# Allegro board LAY-95869_A.brd (continued)
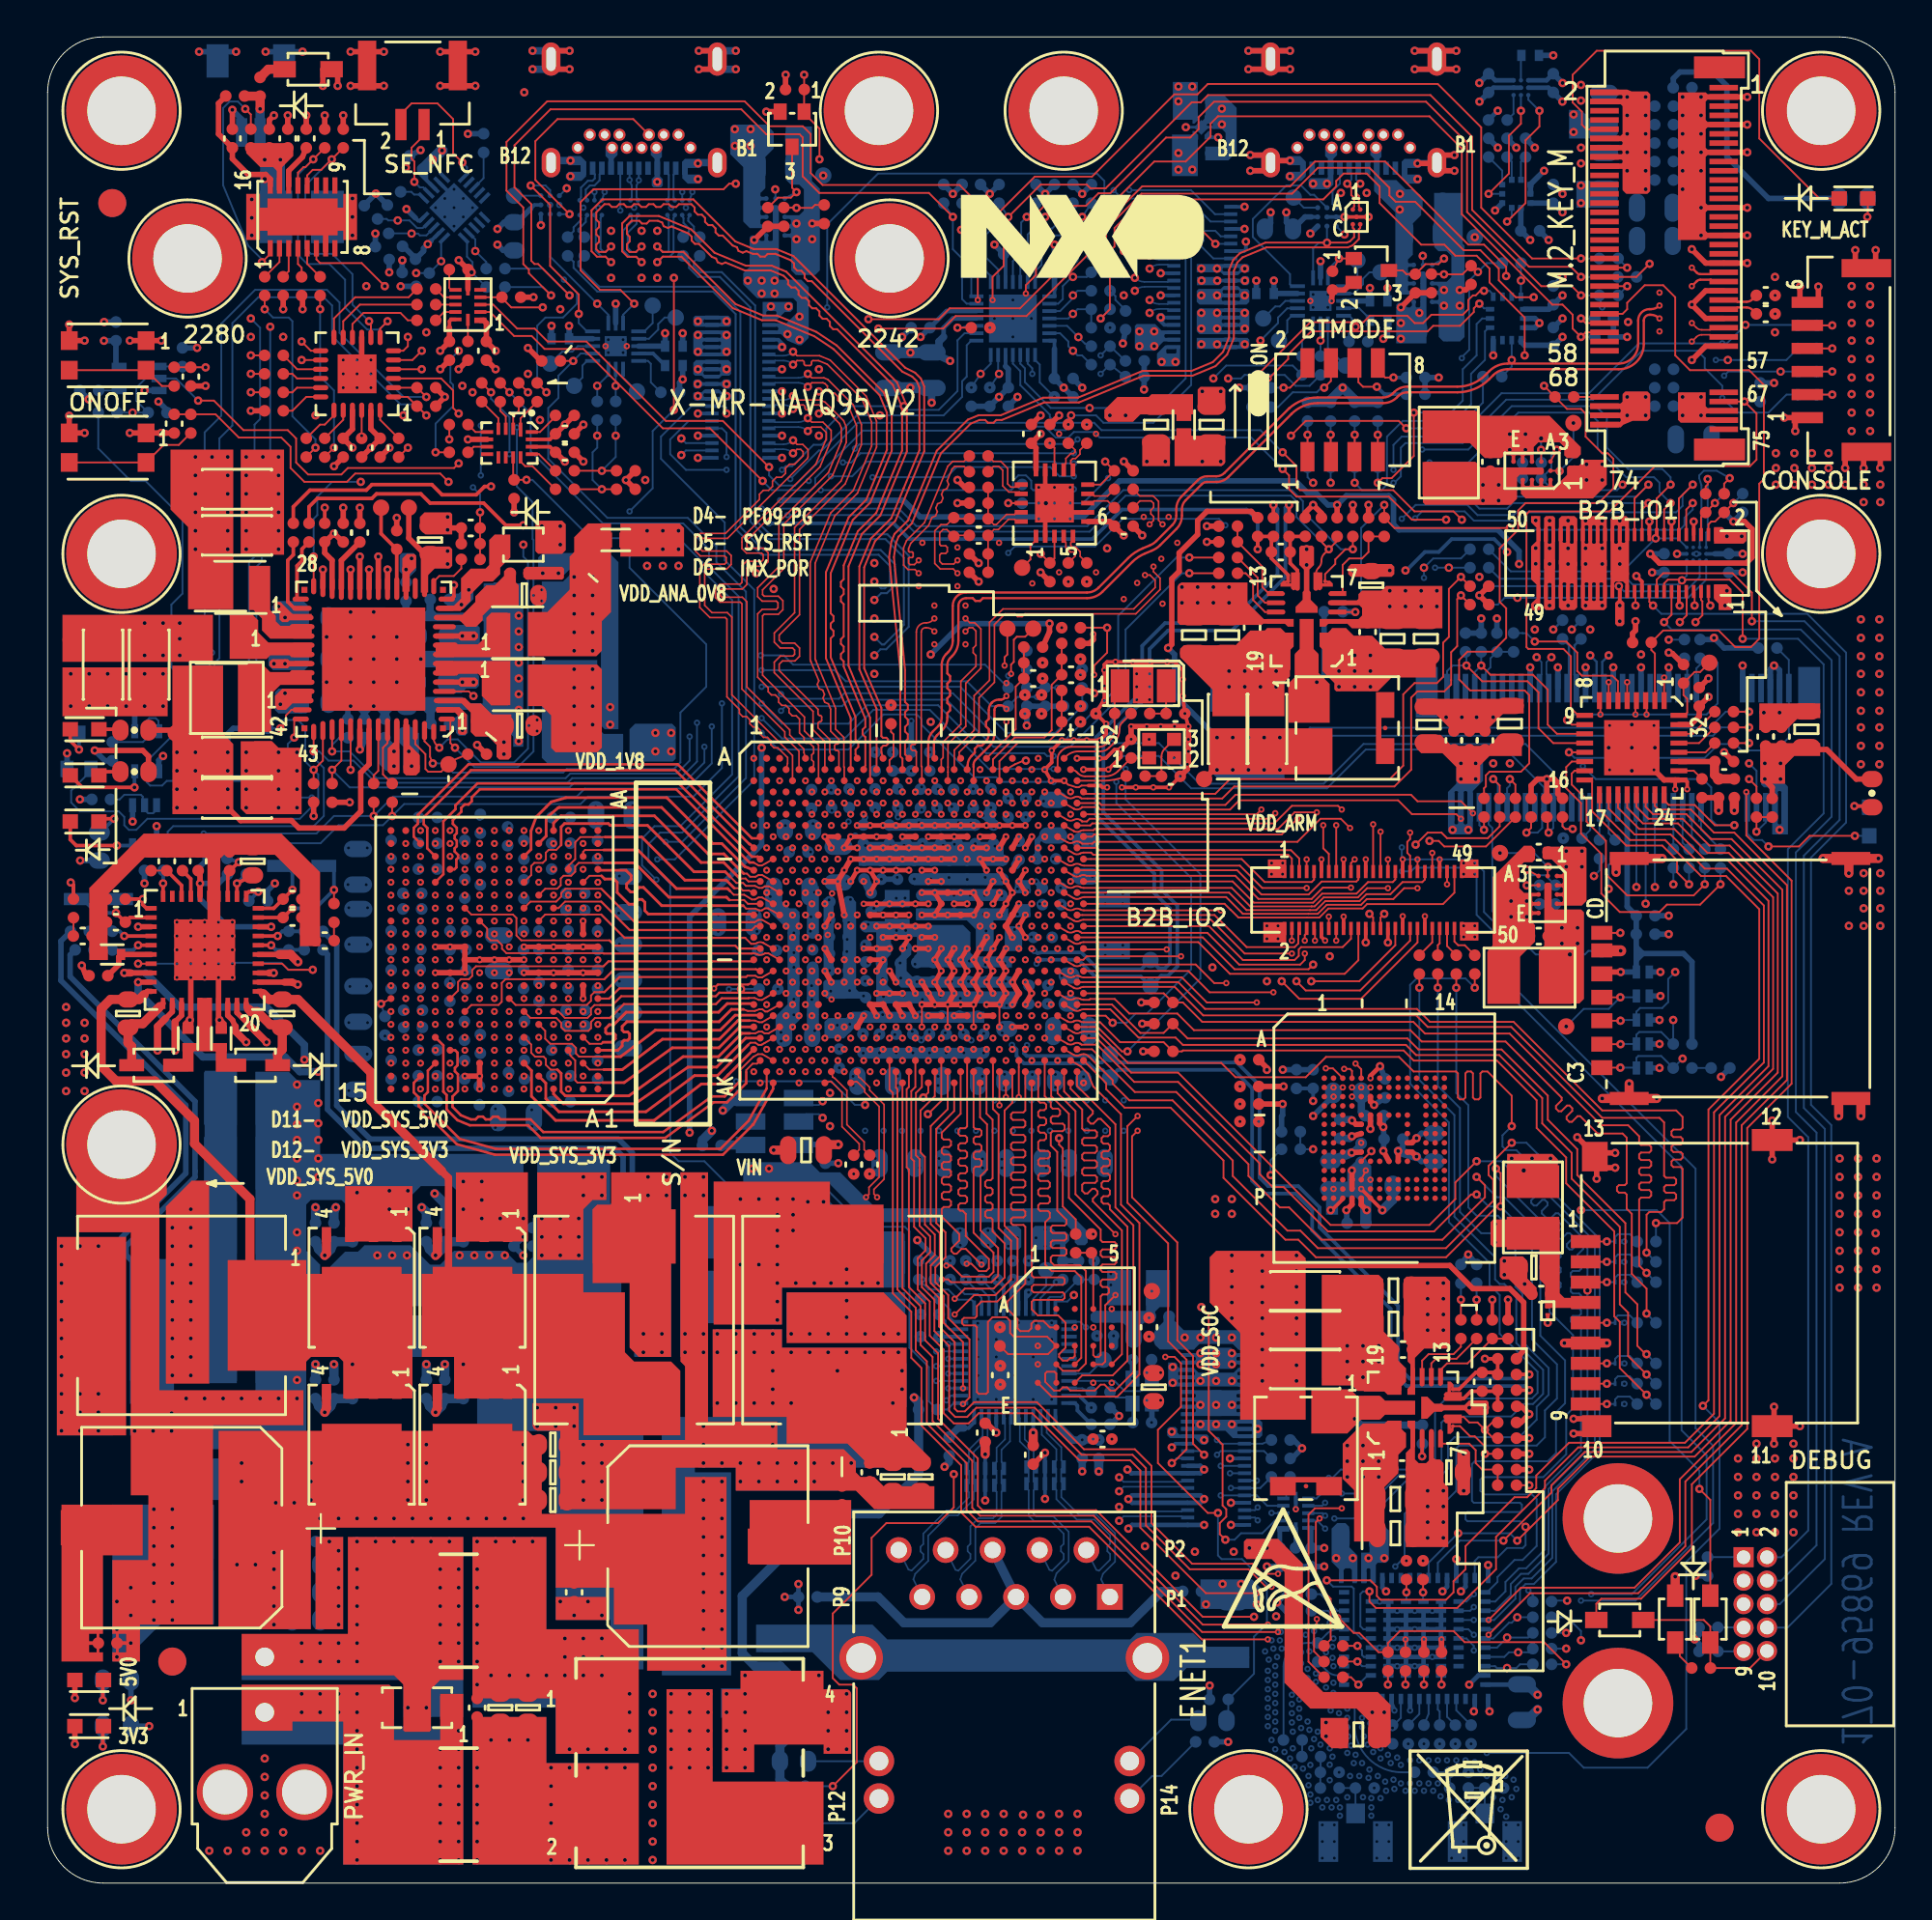
[diagram p0: board, top side]
## Routing (per net, layer and track width the routed paths; a pad name or vN(x,y) marks a point on that pad's centre or on a via; arc(x,y) is an arc through that point) (continued)
PF53_ARM_EN: length 71.8
  TOP w0.102: v1(21.2,61.5) 21.04,61.66 arc(20.94,61.82) 20.9,62 U9.56 ; U8.9 68.65,70.9 arc(68.69,71.08) 68.79,71.24 68.81,71.26 arc(68.91,71.42) 68.95,71.6 68.95,71.64 arc(68.99,71.83) 69.1,72 v1(69.35,72.25) ; R65.2 69.8,72.81 arc(69.78,72.71) 69.72,72.62 v1(69.35,72.25) ; v1(69.35,72.25) 69.05,72.55 arc(68.97,72.66) 68.95,72.79 R64.1
  L3_IN1 w0.102: v1(25.75,72.5) 26.2,72.95 29.55,72.95 31.65,70.85 37.6,70.85 39.5,72.75 39.5,73.55 v9(40.05,74.1)
  L4_GND2 w0.3: v9(40.05,74.1) v6(40.45,74.1)
  L7_GND3 w0.3: v9(40.05,74.1) v6(40.45,74.1)
  BOTTOM w0.102: v1(69.35,72.25) 67.6,74 67.6,74.85 67.3,75.15 58.35,75.15 56.4,73.2 46.9,73.2 46,74.1 v9(40.05,74.1) ; v1(21.2,61.5) 21.65,61.95 22.2,61.95 23.45,60.7 25.25,60.7 26,61.45 26,71.6 25.75,71.85 v1(25.75,72.5)
PF53_ARM_FB-: length 3.5
  TOP w0.2: R59.1 68.07,72.94 R63.1 67.26,72.88 C29.2 67.26,71.49 67.65,71.1 U8.11
PF53_ARM_PG: length 63
  TOP w0.102: R66.2 v1(70.65,72.25) 70.25,72.25 69.7,71.7 69.7,71.45 69.15,70.9 U8.8 ; v1(22.25,79.6) 21.95,79.9 21.95,80.85 21.3,81.5 U4.3
  L3_IN1 w0.102: v9(38.65,74.45) 32.6,74.45 32.05,75 29.8,75 28.5,76.3 28.5,77.4 28.05,77.85 26.9,77.85 25.2,79.55 22.3,79.55 v1(22.25,79.6)
  L4_GND2 w0.3: v9(38.65,74.45) v6(39.05,74.45)
  L7_GND3 w0.3: v9(38.65,74.45) v6(39.05,74.45)
  BOTTOM w0.102: v9(38.65,74.45) 46.07,74.45 47.02,73.5 56.28,73.5 58.23,75.45 67.35,75.45 67.95,74.85 67.95,74.3 70,72.25 v1(70.65,72.25)
PF53_ARM_VMON: length 64.4
  TOP w0.2: U8.12 67.15,70.85 66.24,71.76 C29.1 66.24,72.83 R62.1 R61.1 v1(65.5,72.25) ; R69.1 13.3,74.55 14.2,75.45 17.25,75.45 17.55,75.75 20.8,75.75 21.35,75.2 23.2,75.2 23.65,75.65 v1(24,75.65)
  L3_IN1 w0.2: v1(24,75.65) 25.25,75.65 25.65,75.25 28,75.25 31.45,71.8 37.2,71.8 v9(39.05,73.65)
  L4_GND2 w0.3: v9(39.05,73.65) v6(39.45,73.65)
  L7_GND3 w0.3: v9(39.05,73.65) v6(39.45,73.65)
  BOTTOM w0.2: v9(39.05,73.65) 45.8,73.65 46.65,72.8 56.55,72.8 58.15,74.4 64.9,74.4 65.5,73.8 v1(65.5,72.25)
PF53_SOC_EN: length 167.9
  TOP w0.102: U17.9 76.65,25.25 76.95,24.95 77.4,24.95 v1(77.8,24.55) ; v1(77.8,24.55) 78.25,24.1 R152.2 ; v1(77.8,24.55) 78.2,24.95 R151.1 ; U9.55 20.4,61.85 20.7,61.55 20.7,61.01 v1(20.85,60.65) ; v1(33.9,86.95) v1(33.9,79.8)
  L3_IN1 w0.102: v9(31.5,74.3) v9(31.5,72.5)
  L4_GND2 w0.3: v6(31.5,72.1) v9(31.5,72.5) ; v9(31.5,74.3) v6(31.22,74.58)
  L7_GND3 w0.3: v6(31.22,74.58) v9(31.5,74.3) ; v6(31.5,72.1) v9(31.5,72.5)
  L8_IN2 w0.102: v1(77.8,24.55) 77.25,24.55 73.75,28.05 73.75,34.6 75.05,35.9 75.05,47.3 74.75,47.6 74.75,49.8 75.25,50.3 75.25,54.2 77.35,56.3 77.35,57.75 78.8,59.2 79.3,59.2 79.65,59.55 79.65,62.45 76.4,65.7 76.4,67.25 76.05,67.6 76.05,70.84 77.95,72.74 77.95,73.65 79.05,74.75 79.05,76.1 77.1,78.05 77.1,84.1 76.05,85.15 76.05,85.55 75.75,85.85 74.9,85.85 72.3,88.45 69.85,88.45 66.55,91.75 59.45,91.75 58.75,92.45 49.1,92.45 46.95,90.3 37.25,90.3 v1(33.9,86.95)
  BOTTOM w0.102: v1(33.9,79.8) 32.75,78.65 32.75,75.55 v9(31.5,74.3) ; v9(31.5,72.5) 31.5,71.25 35.65,67.1 35.65,64.8 34.25,63.4 34.25,60.7 33.9,60.35 28.1,60.35 27.9,60.15 21.95,60.15 21.45,60.65 v1(20.85,60.65)
PF53_SOC_FB-: length 3.5
  TOP w0.2: U17.11 76.65,26.25 77.04,26.64 C92.2 78.43,26.64 R149.1 78.49,25.83 R150.1
PF53_SOC_PG: length 146
  TOP w0.102: U17.8 76.45,24.75 77,24.2 77.25,24.2 77.8,23.65 v1(77.8,23.25) R153.2 ; U4.4 v1(20.25,82)
  L8_IN2 w0.102: v1(77.8,23.25) 78.4,23.85 78.4,28.45 76.1,30.75 76.1,46.95 76.8,47.65 76.8,49.65 76.35,50.1 76.35,54 76.95,54.6 78.05,54.6 79.05,55.6 79.05,57.3 80.7,58.95 80.7,63.05 78.55,65.2 78.55,67 78.05,67.5 78.05,68.75 78.5,69.2 78.5,73.35 79.6,74.45 79.6,79.45 78.7,80.35 78.7,85.9 77.78,86.83 77.78,89.72 76.55,90.95 76.55,93.9 74.95,95.5 66.05,95.5 63.8,93.25 48.4,93.25 46.75,91.6 41.15,91.6 40.7,92.05 40.35,92.05 39.35,91.05 36.35,91.05 35.7,90.4 33.4,90.4 33,90 32.1,90 31.15,89.05 29.5,89.05 28.75,88.3 25.8,88.3 20.7,83.2 20.7,82.45 v1(20.25,82)
PF53_SOC_VMON: length 125.1
  TOP w0.2: v1(25.75,73.55) 24.8,73.55 23.6,74.75 20.7,74.75 20.2,75.25 17.8,75.25 17.55,75 14.6,75 14.15,74.55 R70.1 ; v1(77.8,28.4) R147.1 R148.1 78.38,27.66 C92.1 77.31,27.66 76.4,26.75 U17.12
  L3_IN1 w0.2: v1(39.3,70.1) 31.5,70.1 29.8,71.8 25.5,71.8 25.15,72.15 25.15,72.95 v1(25.75,73.55)
  L5_POWER1 w0.3: v1(77.5,70.75) 77,70.25 75.81,70.25 75.56,70.5 65.25,70.5 64.25,71.5 62.95,71.5 62.12,72.33 61.63,72.33 59.81,70.51 53.24,70.51 52.74,71.01 40.66,71.01 40.1,70.45 39.65,70.45 v1(39.3,70.1)
  L8_IN2 w0.2: v1(77.8,28.4) 75.4,28.4 74.2,29.6 74.2,34.25 75.6,35.65 75.6,47.75 75.75,47.9 75.75,54.15 76.65,55.05 77.15,55.05 78.6,56.5 78.6,57.5 80.3,59.2 80.3,62.8 78.15,64.95 78.15,66.7 77.05,67.8 77.05,68.6 77.95,69.5 77.95,70.3 v1(77.5,70.75)
PMIC_ON: length 66.3
  TOP w0.102: U9.28 v1(14.4,71.85)
  L3_IN1 w0.102: v1(16.95,75.9) 17.75,75.9 18.35,76.5 21.95,76.5 23.25,75.2 23.45,75.2 24.3,74.35 24.3,70.1 25.2,69.2 25.85,69.2 26.1,68.95 27.05,68.95 27.25,69.15 37.2,69.15 39.35,67 39.35,65.45 38.7,64.8 v9(38.65,64.8) ; v4(53.27,59.11) 53.8,59.41 arc(53.93,59.54) 53.97,59.71 arc(54.02,59.88) 54.14,60.01 54.15,60.02 arc(54.27,60.14) 54.32,60.31 54.31,61.06 55.75,62.5 v5(55.75,63.35)
  L4_GND2 w0.3: v9(38.65,64.8) v6(39.05,64.8) ; v6(55.6,63.75) v5(55.75,63.35)
  L7_GND3 w0.3: v9(38.65,64.8) v6(39.05,64.8) ; v6(55.6,63.75) v9(56.01,63.75)
  BOTTOM w0.102: v9(38.65,64.8) 49.4,64.8 51.9,62.3 54.55,62.3 56,63.75 v9(56.01,63.75) R246.1 ; v1(16.95,75.9) 15.4,75.9 14.6,75.1 14.6,74.1 14.4,73.9 v1(14.4,71.85)
PMIC_STBY: length 170.6
  TOP w0.102: R84.1 v1(57.35,68) 57.35,66.65 56.65,65.95 v4(56.65,65.45) ; U9.1 21.8,63.05 21.8,61.75 v1(22.05,61.5) ; v1(79.15,73.4) 72.91,73.4 R68.1 v1(72.35,74.65) ; R156.1 v1(80.2,21.55)
  L3_IN1 w0.102: v4(56.65,65.45) 56.35,65.15 56.1,65.15 54.8,63.85 54.8,62.8 53.38,61.38 52.93,61.38 52.55,61 52.55,60.1 52.92,59.73 v4(52.92,59.71) ; v5(72.2,66.1) 60.1,66.1 58.2,68 v1(57.35,68)
  L4_GND2 w0.3: v5(72.2,66.1) v6(72.2,65.65)
  L7_GND3 w0.3: v6(72.2,65.65) v9(72.1,66.1)
  L8_IN2 w0.102: v3(25.4,78.85) 26.9,78.85 28.25,80.2 31.75,80.2 32.15,80.6 34.3,80.6 34.75,81.05 34.75,81.3 35.05,81.6 40.45,81.6 41.3,82.45 44.65,82.45 47.45,79.65 48.55,79.65 51.8,76.4 51.8,75.55 54.4,72.95 57.5,72.95 57.85,72.6 57.85,71.45 57.35,70.95 v1(57.35,68) ; v1(79.15,73.4) 80.05,72.5 80.05,67 80.2,66.85 81.7,66.85 83.15,65.4 83.15,62.9 82.75,62.5 82.75,58.2 81.7,57.15 81.7,52.45 80.8,51.55 80.8,22.15 v1(80.2,21.55)
  BOTTOM w0.102: v9(72.1,66.1) 72.1,68.65 71.1,69.65 71.1,72.07 71.1,72.08 71.1,73.02 71.1,73.03 71.1,73.4 v1(72.35,74.65) ; v3(25.4,78.85) 25.4,75.65 26.25,74.8 26.25,72.8 26.3,72.75 26.3,61.3 25.45,60.45 23.1,60.45 v1(22.05,61.5)
PMIC_XFB: length 119
  TOP w0.2: U9.14 21.85,69.55 21.99,69.69 v1(21.99,70.31) ; R145.1 v1(78.2,31.6) ; R73.1 v1(62.75,72.65) ; R71.2 v1(15,74.5)
  L5_POWER1 w0.3: v1(73.5,71.1) 72.95,71.65 69,71.65 68.75,71.9 68.75,72.65 68.5,72.9 63,72.9 v1(62.75,72.65) 62.39,73.01 60.86,73.01 59.4,71.55 55.15,71.55 54.17,72.53 53.18,72.53 52.85,72.2 39.85,72.2 38.6,70.95 v1(38.35,70.95)
  L8_IN2 w0.2: v1(15,74.5) 16.2,73.3 19.3,73.3 20.35,72.25 20.35,70.9 20.94,70.31 v1(21.99,70.31) 22.33,70.65 25.75,70.65 26.85,71.75 31.25,71.75 32.13,70.87 34.33,70.87 34.41,70.95 v1(38.35,70.95)
  L8_IN2 w0.3: v1(78.2,31.6) 78.2,31.9 77.85,32.25 77.85,40.7 79.05,41.9 79.05,51.5 78.65,51.9 78.65,53.5 79.55,54.4 79.55,57.1 81.75,59.3 81.75,60.1 81.15,60.7 81.15,63.35 79,65.5 v1(79,72.1)
  BOTTOM w0.2: v1(79,72.1) 78.3,72.8 76,72.8 75.3,72.1 74.55,72.1 73.55,71.1 v1(73.5,71.1)
POR_B_1V8: length 186.9
  TOP w0.102: v1(89.41,21.35) 90,20.76 D14.A ; v1(54.75,40.35) 54.75,40 54.95,39.8 54.95,36.65 55.65,35.95 R141.1 ; U9.43 v1(14.4,61.3)
  L3_IN1 w0.102: v9(35.15,62.85) 35.15,63.75 37.9,66.5 v9(38.6,66.5) ; v1(83,36.45) 73.15,36.45 71.9,35.2 68.75,35.2 66.2,37.75 v1(66.2,38.35) 64.3,38.35 62.1,40.55 60.15,40.55 59.4,39.8 55.3,39.8 v1(54.75,40.35)
  L4_GND2 w0.3: v9(38.6,66.5) v6(39,66.5) ; v9(35.15,62.85) v6(34.75,62.85)
  L7_GND3 w0.3: v9(38.6,66.5) v6(39,66.5) ; v9(35.15,62.85) v6(34.75,62.85)
  L8_IN2 w0.102: v3(52,65.4) v3(52,72.05) ; v1(54.75,40.35) 57.45,40.35 57.8,40.7 57.8,41 61.75,44.95 61.75,54.1 62.9,55.25 62.9,63.15 62.2,63.85 62.2,66.4 64.65,68.85 64.65,71.05 64.2,71.5 64.2,73.1 v3(63.75,73.55)
  BOTTOM w0.102: v3(52,72.05) 52.35,72.4 56.7,72.4 58.2,73.9 63.4,73.9 v3(63.75,73.55) ; v3(52,65.4) 51.99,65.39 R248.1 50.74,66 40.35,66 39.85,66.5 v9(38.6,66.5) ; 5.25,56.22 5.25,55.75 5.4,55.6 6.25,55.6 6.5,55.85 6.5,56.95 6.8,57.25 14.4,57.25 14.95,57.8 14.95,60.4 14.4,60.95 v1(14.4,61.3) 14.7,61.3 15.2,60.8 16.55,60.8 17.75,59.6 28.15,59.6 28.4,59.85 34.25,59.85 35.15,60.75 v9(35.15,62.85) ; v1(83,36.45) 87.1,36.45 87.8,35.75 87.8,23.95 89.41,22.34 v1(89.41,21.35) ; v1(66.2,38.35) 66.2,39.16 R298.2
RES: length 2.4
  TOP w0.2: U13.32 v1(10.25,54.15) C65.1
  BOTTOM w0.2: R269.2 v1(10.25,54.15)
RJ45_LEDG_A: length 3.8
  BOTTOM w0.102: J8.P11 44.99,6.6 R359.2
RJ45_LEDG_C: length 4.6
  BOTTOM w0.102: R370.2 43.66,3.24 J8.P12
RJ45_LEDY_A: length 4.7
  BOTTOM w0.102: J8.P13 60.81,8.85 62.29,8.85 R349.2
RJ45_LEDY_C: length 4.8
  BOTTOM w0.102: J8.P14 59.79,5.8 60.29,5.8 R351.2
RTC_CLKOUT_32K: length 121
  TOP w0.102: R113.2 77.75,59.3 77.85,59.4 77.85,60 78.05,60.2 79.75,60.2 80.2,60.65 80.2,64.35 79.95,64.6 77,64.6 76.4,65.2 76.4,66.25 76.85,66.7 78.2,66.7 78.95,67.45 78.95,69.05 78.6,69.4 78.6,72.3 79.6,73.3 79.6,74.35 80,74.75 83.95,74.75 84.75,75.55 84.75,77.15 84.45,77.45 84.15,77.45 83.25,78.35 83.25,79.6 83,79.85 82.24,79.85 R212.2 81.59,80.51 v1(81,81.1) ; U1.6 14.55,87.95 14.75,87.75 17,87.75 v1(18.25,86.5)
  L8_IN2 w0.102: v1(81,81.1) 81,82.6 79.25,84.35 79.25,86.1 78.4,86.95 78.4,89.9 77,91.3 77,94.15 75.2,95.95 65.75,95.95 63.7,93.9 61.75,93.9 61.45,94.2 60.85,94.2 60.35,93.7 48.05,93.7 46.45,92.1 43.15,92.1 42.3,92.95 39.8,92.95 38.42,91.58 36.08,91.58 35.6,91.1 32.6,91.1 31.94,90.44 31.24,90.15 29.85,90.15 28.9,89.2 26.05,89.2 22.9,86.05 18.7,86.05 v1(18.25,86.5)
RTC_INTA_B: length 16.9
  TOP w0.102: U4.7 18,84.2 v1(18.4,84.6) ; R6.2 v1(14.38,93.37) 13.96,92.95 13.85,92.95 13.55,92.65 U1.13
  BOTTOM w0.102: v1(18.4,84.6) 17.95,84.15 17.3,84.15 16.1,85.35 16.1,86.85 15.25,87.7 14.05,87.7 13.55,88.2 13.55,92.54 v1(14.38,93.37)
RTC_INTB_B: length 15.5
  TOP w0.102: U4.8 17.5,84.36 v1(17.4,84.6) ; U1.12 14.05,92.5 14.35,92.8 14.81,92.8 v1(15.38,93.37) R7.2
  BOTTOM w0.102: v1(17.4,84.6) 16.5,85.5 16.5,87.15 15.4,88.25 14.25,88.25 13.95,88.55 13.95,91.95 15.37,93.37 v1(15.38,93.37)
RTL8211_INT_B: length 1.6
  TOP w0.102: U5.2 25.2,79.45 25.5,79.75 R33.1
RTL8211_PHYRST_B: length 79.2
  TOP w0.102: v1(25,80.75) 24.5,81.25 R32.2
  BOTTOM w0.102: v1(25,80.75) 26.15,79.6 26.15,77.55 30.05,73.65 34.4,73.65 35.8,72.25 35.8,71.3 37.4,69.7 37.4,59.95 34.35,56.9 33.15,56.9 32.52,56.27 32.52,55.33 33.7,54.15 33.7,39.55 34.15,39.1 35.55,39.1 37.05,37.6 42.15,37.6 44.2,35.55 46.4,35.55 46.65,35.3 46.65,29 47.7,27.95 47.7,26.1 48.15,25.65 R336.2 48.7,25.65 49.05,26 U35.13
RTL8211_PME_B: length 2.3
  TOP w0.102: U4.15 13.51,82 R26.1
RTL8211_PME_INT_B: length 117.1
  TOP w0.102: v1(26,80.75) 25.5,81.25 R33.2 ; R26.2 v1(11,82.75)
  L3_IN1 w0.102: v1(26,80.75) 26.7,80.05 27.85,80.05 28.5,79.4 28.5,78.75 29.85,77.4 32.25,77.4 33.65,76 37.7,76 38.15,76.45 38.75,76.45 39,76.2 v9(42.4,76.2)
  L4_GND2 w0.3: v9(42.4,76.2) v6(42,76.2)
  L7_GND3 w0.3: v9(42.4,76.2) v6(42,76.2)
  L8_IN2 w0.102: v1(26,80.75) 25.5,80.25 23.65,80.25 22.3,78.9 20.4,78.9 19.3,80 14.6,80 13.3,81.3 10.75,81.3 10.5,81.55 10.5,82.25 v1(11,82.75) ; v3(55.55,76.9) 56.75,78.1 63.8,78.1 64.4,77.5 64.4,74.2 65.1,73.5 65.1,72.05 65.65,71.5 65.65,67.9 63.35,65.6 63.35,64.3 65.45,62.2 65.45,60.05 63.85,58.45 63.85,53.85 62.65,52.65 62.65,43.15 58.75,39.25 58.75,37.3 54.6,33.15 v9(54.6,32.55)
  BOTTOM w0.102: v9(54.6,32.55) 53.75,31.7 U35.34 ; v3(55.55,76.9) 54.6,76.9 54.5,77 44.35,77 43.55,76.2 v9(42.4,76.2)
  BOTTOM w0.4: R319.2 v9(54.6,32.55)
RTL8211_TD1_N: length 12.4
  BOTTOM w0.089: J8.P2 56.77,16.97 56.91,16.92 57.51,17.52 57.51,17.82 57.36,17.98 57.36,18.23 57.51,18.38 57.51,18.84 56.66,19.69 55.71,19.69 54.6,20.8 54.6,21.28 54.49,21.4 D30.2 54.6,21.74 54.6,22.44 D30.9 54.49,22.79 54.6,22.9 54.6,23.5 53.81,24.29 53.81,25.2 U35.3
RTL8211_TD1_P: length 12.5
  BOTTOM w0.089: J8.P1 57.02,16.45 57.12,16.75 57.78,17.41 57.78,18.95 56.77,19.95 55.82,19.95 54.87,20.91 54.87,21.27 54.99,21.39 D30.1 54.86,21.76 54.86,22.42 D30.10 54.99,22.79 54.87,22.9 54.87,23.61 54.08,24.4 54.08,25.19 U35.2
RTL8211_TD2_N: length 11.8
  BOTTOM w0.089: J8.P4 54.23,16.97 54.38,16.92 55,17.54 55,17.82 54.85,17.98 54.85,18.23 55,18.38 55,18.92 54.32,19.6 53.4,19.6 53.1,19.9 53.1,21.27 52.99,21.39 D30.5 53.1,21.74 53.1,22.43 D30.6 52.99,22.79 53.1,22.9 53.1,23.45 52.62,23.93 52.62,25.19 U35.6
RTL8211_TD2_P: length 11.9
  BOTTOM w0.089: U35.5 52.89,25.2 52.89,24.04 53.37,23.56 53.37,22.89 53.49,22.78 D30.7 53.37,22.42 53.37,21.75 D30.4 53.49,21.39 53.37,21.27 53.37,20.01 53.51,19.87 54.43,19.87 55.27,19.03 55.27,17.43 54.61,16.78 54.49,16.43 J8.P3
RTL8211_TD3_N: length 11.6
  BOTTOM w0.089: J8.P8 49.15,16.97 49.29,16.92 49.95,17.57 49.95,17.82 49.8,17.97 49.8,18.22 49.95,18.37 49.95,19.33 50.39,19.76 51.17,19.76 51.37,19.95 51.37,21.2 51.25,21.31 D31.2 51.36,21.66 51.36,22.34 D31.9 51.25,22.7 51.37,22.82 51.37,23.58 51.83,24.04 51.83,25.19 U35.8
RTL8211_TD3_P: length 11.6
  BOTTOM w0.089: J8.P7 49.4,16.45 49.5,16.75 50.22,17.46 50.22,19.22 50.5,19.5 51.29,19.5 51.63,19.84 51.63,21.2 51.75,21.31 D31.1 51.63,21.66 51.63,22.34 D31.10 51.75,22.7 51.63,22.82 51.63,23.47 52.09,23.93 52.09,25.2 U35.7
RTL8211_TD4_N: length 12
  BOTTOM w0.089: J8.P10 46.6,16.98 46.75,16.93 arc(46.76,16.93) 46.77,16.94 47.4,17.56 47.4,17.81 47.25,17.96 47.25,18.21 47.4,18.36 47.4,18.93 48.66,20.19 49.16,20.19 49.87,20.89 49.87,21.17 49.75,21.29 D31.5 49.87,21.66 49.87,22.34 D31.6 49.75,22.7 49.87,22.82 49.87,23.47 50.61,24.21 50.61,25.26 U35.11
RTL8211_TD4_P: length 12
  BOTTOM w0.089: U35.10 50.95,25.26 50.88,25.2 50.88,24.1 50.13,23.36 50.13,22.82 50.25,22.7 D31.7 50.14,22.34 50.14,21.66 D31.4 50.25,21.3 50.13,21.18 50.13,20.78 49.27,19.92 48.77,19.92 47.67,18.82 47.67,17.45 46.96,16.75 46.86,16.45 J8.P9
SAI2_RX_DATA0: length 95.1
  TOP w0.102: R129.2 v1(74.25,48.5) ; R169.1 68.25,11.99 68.25,19.95 68.6,20.3 v8(70.05,20.3)
  L3_IN1 w0.102: v8(70.05,20.3) v6(70.05,20.7) 69.9,20.85 69.9,24.6 67.7,26.8 62,26.8 61.3,27.5 60.7,27.5 60.45,27.25 58.35,27.25 57.85,26.75 57.14,26.75 56.96,26.57 54.58,26.57 53.25,27.9 53.25,29.45 53.85,30.05 53.85,36.75 48.55,42.05 48.55,43.5 48.03,44.02 48.03,45.16 v4(48.02,45.16)
  L4_GND2 w0.3: v8(70.05,20.3) v6(70.05,20.7)
  L7_GND3 w0.3: v9(70.05,21.1) v6(70.05,20.7)
  BOTTOM w0.102: v1(74.25,48.5) 74.25,43.5 76.15,41.6 76.15,36.1 78.35,33.9 78.35,32.7 78.6,32.45 78.85,32.45 79.5,31.8 79.5,29.25 80.95,27.8 80.95,26.5 80.4,25.95 79.9,25.95 79.22,25.27 75.78,25.27 75.45,24.95 75.45,22.75 74.8,22.1 73.15,22.1 72.15,21.1 v9(70.05,21.1)
SAI2_TX_BCLK: length 95.8
  TOP w0.102: R131.2 v1(76.25,48.5) ; R166.1 v8(73.5,13.2)
  L3_IN1 w0.102: v8(73.5,13.2) 72.05,14.65 72.05,16.05 72.3,16.3 v5(72.3,16.6) 71.75,16.6 71.05,17.3 71.05,18.1 70.4,18.75 69,18.75 68.2,19.55 68.2,22.7 66.7,24.2 65.15,24.2 64.9,24.45 61.8,24.45 61.4,24.85 56.6,24.85 56.15,25.3 53.3,25.3 51.9,26.7 51.9,30.2 52.2,30.5 52.2,35.45 45.92,41.73 v4(45.92,45.16)
  L4_GND2 w0.3: v5(72.3,16.6) v6(72.65,16.85)
  L7_GND3 w0.3: v9(72.95,17.15) v6(72.65,16.85)
  BOTTOM w0.102: v9(72.95,17.15) 73.45,17.65 73.45,20 74.25,20.8 75.8,20.8 76.25,21.25 76.25,23.55 76.4,23.7 80.6,23.7 81.05,24.15 81.05,25.6 81.7,26.25 81.7,28.1 80.35,29.45 80.35,34.3 78.5,36.15 77.35,36.15 76.9,36.6 76.9,42.14 76.25,42.79 v1(76.25,48.5)
SAI2_TX_DATA0: length 102.5
  TOP w0.102: R132.2 v1(77.25,48.5) ; U12.AH26 46.97,43.12 46.75,42.9 46.75,39.25 46.9,39.1 46.9,35.55 47.52,34.93 47.52,34.27 47.1,33.85 47.1,32.15 47.75,31.5 47.75,29.65 48.5,28.9 48.5,25.45 49.05,24.9 49.85,24.9 50.4,25.45 53.3,25.45 55.85,22.9 58.6,22.9 59.15,22.35 59.15,19.25 62.7,15.7 v8(65.45,15.7) ; R164.1 69.09,12.01 68.55,12.55 68.55,13.9 68.7,14.05 v4(68.7,14.3)
  L3_IN1 w0.102: v4(68.7,14.3) 67.3,15.7 v8(65.45,15.7)
  L4_GND2 w0.3: v8(65.45,15.7) v6(65.45,16.1)
  L7_GND3 w0.3: v7(65.8,16.3) v6(65.45,16.1)
  L8_IN2 w0.102: v3(69.35,21.95) 69.09,21.82 68.5,21.23 67.4,18.7 67.4,17.15 66.55,16.3 v7(65.8,16.3)
  BOTTOM w0.102: v3(69.35,21.95) 69.55,21.95 70,22.4 74.55,22.4 75.1,22.95 75.1,25.65 75.7,26.25 80.35,26.25 80.65,26.55 80.65,27.7 78.6,29.75 78.6,31.85 78.05,32.4 78.05,33.6 75.85,35.8 75.85,41.2 73.75,43.3 73.75,48.65 74.1,49 76.75,49 v1(77.25,48.5)
SAI2_TX_SYNC: length 93
  TOP w0.102: R130.2 v1(75.25,48.5) ; R162.1 69.1,12.85 69.45,13.2 69.45,15.4 68.65,16.2 68.65,19.55 v8(68.85,19.75)
  L3_IN1 w0.102: v4(46.27,45.77) 46.27,45.77 46.27,42.03 52.65,35.65 52.65,30.3 52.33,29.98 52.33,26.88 53.46,25.75 58.8,25.75 59.05,25.5 61.85,25.5 62.1,25.25 67.05,25.25 68.65,23.65 68.65,19.95 v8(68.85,19.75)
  L4_GND2 w0.3: v8(68.85,19.75) v6(69.25,19.75)
  L7_GND3 w0.3: v9(69.65,19.75) v6(69.25,19.75)
  BOTTOM w0.102: v1(75.25,48.5) 75.25,43.18 76.45,41.98 76.45,36.35 77.6,35.2 78.55,35.2 79.45,34.3 79.45,32.3 79.83,31.93 79.83,29.32 81.25,27.9 81.25,26.45 80.6,25.8 80.6,25.1 79.65,24.15 76.15,24.15 75.8,23.8 75.8,22.45 75.1,21.75 73.5,21.75 71.5,19.75 v9(69.65,19.75)
SD1_CLK: length 14.9
  L3_IN1 w0.102: v4(51.52,45.16) 51.52,44.73 53.25,43 54.45,43 55.15,42.3 62.65,42.3 63.7,41.25 v4(64.54,41.25)
SD1_CMD: length 23.9
  TOP w0.102: U15.M5 v4(71.35,38.6)
  L3_IN1 w0.102: v4(51.87,45.77) 51.87,44.96 53.38,43.45 54.6,43.45 55.32,42.73 63.36,42.73 63.89,42.2 v4(64.54,42.2) 64.94,41.8 65.7,41.8 68.98,38.52 70.01,38.52 70.43,38.1 70.85,38.1 v4(71.35,38.6)
SD1_DATA0: length 22.1
  TOP w0.102: U15.A3 69.57,44.13 v4(69.19,44.13)
  L3_IN1 w0.102: v4(69.19,44.13) 69.19,45.2 69,45.39 64.68,45.39 64.54,45.25 v4(64.54,44.6) 64.19,44.25 63.71,44.25 63.61,44.35 63.61,44.64 63.51,44.74 63.2,44.74 63.1,44.64 63.1,44.35 63,44.25 62.7,44.25 62.59,44.35 62.59,44.64 62.49,44.74 62.19,44.74 62.09,44.64 62.09,44.35 61.98,44.25 61.68,44.25 61.58,44.35 61.58,44.64 61.48,44.74 61.17,44.74 61.07,44.64 61.07,44.35 60.97,44.25 60.66,44.25 60.56,44.35 60.56,44.64 60.46,44.74 60.16,44.74 60.05,44.64 60.05,44.35 59.95,44.25 57.6,44.25 57.09,44.76 55.7,44.76 55.56,44.9 54.55,44.9 54.44,44.79 53.99,44.79 v4(53.62,45.16)
SD1_DATA1: length 23.9
  TOP w0.102: v4(70.18,44.1) 70.18,44.1 70.5,44.1 70.61,43.99 U15.A4
  L3_IN1 w0.102: v4(53.62,46.38) 53.69,46.3 53.92,46.3 54.31,45.91 54.31,45.74 54.42,45.64 54.77,45.64 54.88,45.74 54.88,46.05 55,46.17 55.87,46.17 55.97,46.07 55.97,45.66 56.07,45.56 56.38,45.56 56.48,45.66 56.48,46.07 56.58,46.17 56.88,46.17 56.99,46.07 56.99,45.66 57.09,45.56 57.39,45.56 57.49,45.66 57.49,46.07 57.6,46.17 57.9,46.17 58,46.07 58,45.66 58.1,45.56 58.41,45.56 58.51,45.66 58.51,46.07 58.61,46.17 58.92,46.17 59.02,46.07 59.02,45.66 59.12,45.56 59.42,45.56 59.53,45.66 59.53,46.07 59.63,46.17 69.69,46.17 69.97,45.89 69.97,44.31 v4(70.18,44.1)
SD1_DATA2: length 23.7
  TOP w0.102: U15.A5 71.11,44.08 v4(70.8,44.39)
  L3_IN1 w0.102: v4(70.8,44.39) 71.24,44.83 71.24,47.05 70.99,47.3 63.91,47.3 63.06,48.15 58.4,48.15 58.3,48.05 58.3,47.7 58.2,47.6 57.89,47.6 57.79,47.7 57.79,48.05 57.69,48.15 57.38,48.15 57.28,48.05 57.28,47.7 57.18,47.6 56.88,47.6 56.77,47.7 56.77,48.05 56.67,48.15 55.98,48.15 55.34,47.51 55.01,47.51 54.48,46.98 v4(53.97,46.98)
SD1_DATA3: length 23.2
  L3_IN1 w0.102: v4(52.92,45.16) 52.92,44.88 53.85,43.95 55.05,43.95 55.35,44.25 56.35,44.25 57.1,43.5 65.3,43.5 66.1,42.7 67.2,42.7 67.3,42.6 67.3,41.35 67.4,41.25 67.63,41.25 67.75,41.37 67.75,44.07 67.86,44.18 68.11,44.18 68.23,44.06 68.23,43.24 68.37,43.1 69.6,43.1 v4(69.61,43.1)
SD1_DATA4: length 23.6
  L3_IN1 w0.102: v4(53.27,45.77) 53.27,45.03 54.1,44.2 54.85,44.2 55.15,44.5 56.7,44.5 57.35,43.85 64.84,43.85 65.03,44.04 65.03,44.94 65.15,45.06 65.53,45.06 65.63,44.96 65.63,44.58 65.73,44.48 66.04,44.48 66.14,44.58 66.14,44.96 66.24,45.06 66.55,45.06 66.65,44.96 66.65,44.58 66.75,44.48 67.05,44.48 67.16,44.58 67.16,44.96 67.26,45.06 67.56,45.06 67.66,44.96 67.66,44.58 67.77,44.48 68.07,44.48 68.17,44.58 68.17,44.96 68.27,45.06 68.7,45.06 68.82,44.94 68.82,43.76 68.96,43.62 69.59,43.62 v4(70.11,43.1)
SD1_DATA5: length 21.5
  L3_IN1 w0.102: v4(70.61,43.1) 69.61,44.09 69.61,45.53 69.37,45.77 62.96,45.77 62.85,45.67 62.85,45.14 62.75,45.04 62.45,45.04 62.35,45.14 62.35,45.67 62.24,45.77 61.94,45.77 61.84,45.67 61.84,45.14 61.74,45.04 61.43,45.04 61.33,45.14 61.33,45.67 61.23,45.77 60.64,45.77 59.47,44.6 58.15,44.6 57.49,45.26 54.41,45.26 v4(54.32,45.16)
SD1_DATA6: length 24.9
  L3_IN1 w0.102: v4(71.11,43.1) 71.11,43.52 70.62,44.11 70.47,44.26 70.47,46.43 70.18,46.72 63.49,46.72 63.18,47.03 62.6,47.03 62.5,47.13 62.5,47.64 62.4,47.74 62.09,47.74 61.99,47.64 61.99,47.13 61.89,47.03 61.58,47.03 61.48,47.13 61.48,47.64 61.38,47.74 61.07,47.74 60.97,47.64 60.97,47.13 60.87,47.03 60.57,47.03 60.46,47.13 60.46,47.64 60.36,47.74 60.06,47.74 59.96,47.64 59.96,47.13 59.85,47.03 56.03,47.03 55.55,46.55 54.92,46.55 54.76,46.71 54.17,46.71 54.11,46.65 53.85,46.65 v4(53.27,46.98)
SD1_DATA7: length 23.4
  L3_IN1 w0.102: v4(71.6,43.1) 71.6,47.62 71.34,47.88 66.15,47.88 65.73,48.3 63.45,48.3 63.1,48.65 54.92,48.65 53.86,47.59 v4(53.62,47.59)
SD1_STROBE: length 23.2
  L3_IN1 w0.102: v4(52.22,45.16) 53.68,43.7 56.5,43.7 57.05,43.15 v4(64.54,43.15) 65.19,42.5 65.7,42.5 67.8,40.4 68.56,40.4 68.96,40 69.34,40 69.45,40.1 69.45,41.08 69.55,41.18 69.85,41.18 69.95,41.08 69.95,40.1 70.06,40 70.87,40 v4(71.11,40.1)
SD2_CD_B: length 47
  TOP w0.102: U12.AD48 55.2,46.68 arc(55.37,46.63) 55.55,46.68 arc(55.72,46.73) 55.9,46.68 arc(55.98,46.64) 56.07,46.63 56.97,46.63 58.05,45.55 60.41,45.55 R293.2 61.4,45.05 61.45,45.1 73.4,45.1 73.95,44.55 78.45,44.55 80.6,42.4 80.6,40.9 82.2,39.3 82.2,37.9 84.8,35.3 84.8,30.7 85.1,30.4 85.1,27.9 v1(86.55,26.45)
  BOTTOM w0.102: R334.1 87.05,25.95 v1(86.55,26.45)